# Altium PCB BloopPadMaxx_00.PcbDoc (part 2 of 3) (continued)
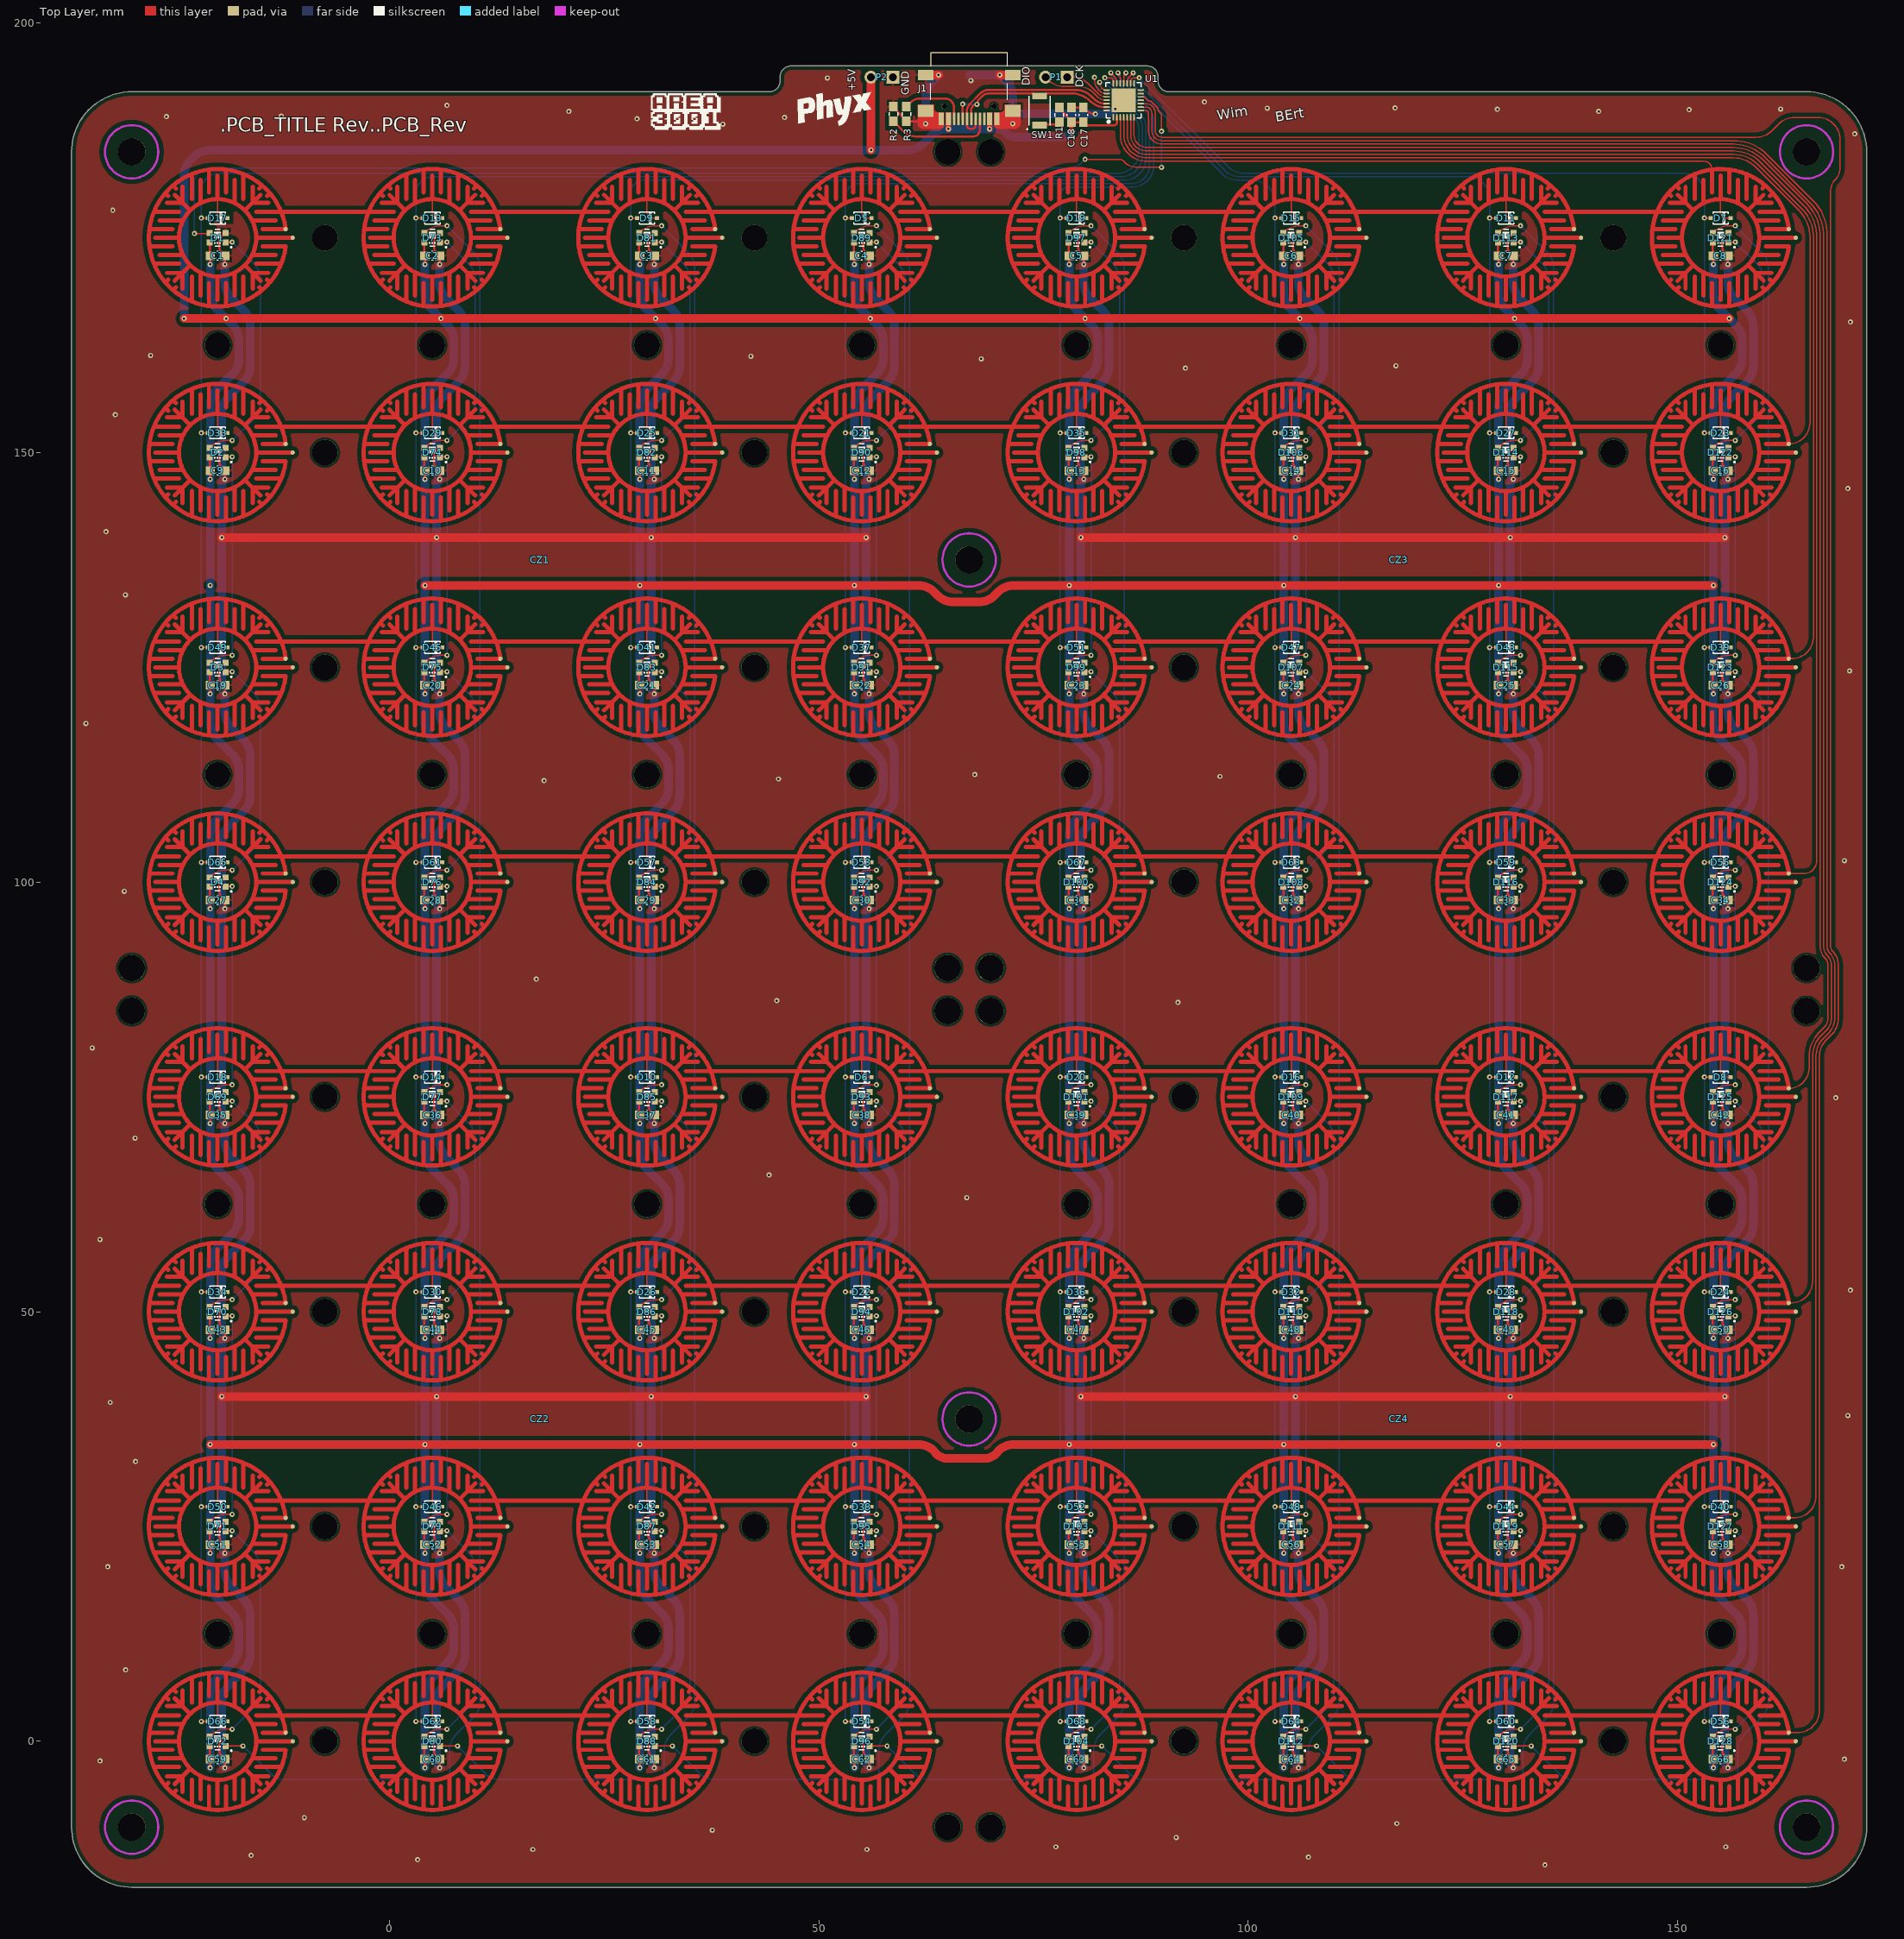
[diagram p0: Top Layer view]
## Nets (pads, with @x,y where several pads share a name; then routed paths per layer and width w, separated by ;. In a path a pad name is that pad's centre, name@x,y a point inside that pad or via, vN(x,y) a via of type N, cw(c..) or ccw(c..) an arc to the next point about the centre after c; other vN are vias at no path point) (continued)
  other v1: 134.537,-14.389 3.3,-13.8 107,-13.5 -16.1,-13.3 16.7,-12.6 55.6,-12.6 77.6,-12.3 155.6,-12.3 91.6,-11.2 37.598,-10.35 117.289,-9.586 -9.9,-8.9 -33.7,-2.3 169.4,-2.1 -30.7,8.3 -32.8,20.3 169.1,20.3 -29.54,32.552 169.8,37.9 -32.5,39.43 170.1,52.5 -33.7,58.4 67.237,63.279 44.2,65.9 -29.6,70.2 168.4,74.9 -34.6,80.7 91.8,86 45.1,86.2 17.1,88.7 -30.85,98.925 169.4,102.5 18,111.8 45.3,112 96.7,112.3 68.156,112.514 -35.326,118.466 170.017,124.58 -30.741,133.422 -33,140.8 169.8,145.8 -31.9,154.4 92.689,159.835 117.2,160.1 68.9,160.9 42.1,161.2 -27.8,161.3 170.1,165.2 -32.2,178.2 170.608,187.1 38.82,188.228 28.839,188.848 46,189 -25.962,189.096 -12.571,189.158 20.9,189.7 140.8,189.7 151.317,189.916 128.998,189.952 161.984,189.987 102.208,190.092 117.1,190.1 6.7,190.4 94.9,190.8 67.7,193.3 51,193.6
IO.DCK: P1.1 U1.24 | length 5.4
  Top Layer w0.15: P1.1@78.93,193.7 79.548,193.7 cw(c79.548,191.16) 81.344,192.956 82.458,191.842 ccw(c83.525,192.909) U1.24@83.525,191.4
IO.DIO: P1.2 U1.25 | length 8
  Top Layer w0.15: P1.2@76.39,193.7 76.746,193.344 ccw(c78.542,195.14) 78.542,192.6 80.224,192.6 cw(c80.224,190.06) 82.02,191.856 82.417,191.459 ccw(c83.525,192.567) U1.25@83.525,191
LED.DIN: D1.3 U1.12 | length 131.4
  Top Layer w0.15: v1(-22.7,175.5) -20.965,175.5 D1.3@-20.915,175.55 ; v1(81,184.14) 84.921,184.14 cw(c84.921,183.321) 85.5,183.9 ccw(c87.118,185.42) 87.118,183.2 v1(89.9,183.2) ; U1.12@87.475,191.4 87.9,191.4 88.4,190.9 88.665,190.9 89.465,190.1 89.465,189.835 89.9,189.4 v1(89.9,187.4)
  Bottom Layer w0.15: v1(-22.7,175.5) -22.7,181.36 cw(c-20.96,181.36) -20.96,183.1 78.908,183.1 ccw(c78.908,185.64) 80.704,183.844 v1(81,184.14) ; v1(89.9,183.2) v1(89.9,187.4)
LED.DOUT: D128.1
NetCZ1_1: CZ1.1 D17.C | length 3.1
  Top Layer w0.15: -20,179.5 -20,177.9 ccw(c-19.4,177.9) -19.4,177.3 D17.C@-18.86,177.3
NetCZ1_3: CZ1.3 D13.C | length 3.1
  Top Layer w0.15: 5,179.5 5,177.9 ccw(c5.6,177.9) 5.6,177.3 D13.C@6.14,177.3
NetCZ1_5: CZ1.5 D9.C | length 3.1
  Top Layer w0.15: 30,179.5 30,177.9 ccw(c30.6,177.9) 30.6,177.3 D9.C@31.14,177.3
NetCZ1_7: CZ1.7 D5.C | length 3.1
  Top Layer w0.15: 55,179.5 55,177.9 ccw(c55.6,177.9) 55.6,177.3 D5.C@56.14,177.3
NetCZ1_9: CZ1.9 D33.C | length 3.1
  Top Layer w0.15: -20,154.5 -20,152.9 ccw(c-19.4,152.9) -19.4,152.3 D33.C@-18.86,152.3
NetCZ1_11: CZ1.11 D29.C | length 3.1
  Top Layer w0.15: 5,154.5 5,152.9 ccw(c5.6,152.9) 5.6,152.3 D29.C@6.14,152.3
NetCZ1_13: CZ1.13 D25.C | length 3.1
  Top Layer w0.15: 30,154.5 30,152.9 ccw(c30.6,152.9) 30.6,152.3 D25.C@31.14,152.3
NetCZ1_15: CZ1.15 D21.C | length 3.1
  Top Layer w0.15: 55,154.5 55,152.9 ccw(c55.6,152.9) 55.6,152.3 D21.C@56.14,152.3
NetCZ1_17: CZ1.17 D49.C | length 3.1
  Top Layer w0.15: -20,129.5 -20,127.9 ccw(c-19.4,127.9) -19.4,127.3 D49.C@-18.86,127.3
NetCZ1_19: CZ1.19 D45.C | length 3.1
  Top Layer w0.15: 5,129.5 5,127.9 ccw(c5.6,127.9) 5.6,127.3 D45.C@6.14,127.3
NetCZ1_21: CZ1.21 D41.C | length 3.1
  Top Layer w0.15: 30,129.5 30,127.9 ccw(c30.6,127.9) 30.6,127.3 D41.C@31.14,127.3
NetCZ1_23: CZ1.23 D37.C | length 3.1
  Top Layer w0.15: 55,129.5 55,127.9 ccw(c55.6,127.9) 55.6,127.3 D37.C@56.14,127.3
NetCZ1_25: CZ1.25 D65.C | length 3.1
  Top Layer w0.15: -20,104.5 -20,102.9 ccw(c-19.4,102.9) -19.4,102.3 D65.C@-18.86,102.3
NetCZ1_27: CZ1.27 D61.C | length 3.1
  Top Layer w0.15: 5,104.5 5,102.9 ccw(c5.6,102.9) 5.6,102.3 D61.C@6.14,102.3
NetCZ1_29: CZ1.29 D57.C | length 3.1
  Top Layer w0.15: 30,104.5 30,102.9 ccw(c30.6,102.9) 30.6,102.3 D57.C@31.14,102.3
NetCZ1_31: CZ1.31 D53.C | length 3.1
  Top Layer w0.15: 55,104.5 55,102.9 ccw(c55.6,102.9) 55.6,102.3 D53.C@56.14,102.3
NetCZ2_1: CZ2.1 D18.C | length 3.1
  Top Layer w0.15: -20,79.5 -20,77.9 ccw(c-19.4,77.9) -19.4,77.3 D18.C@-18.86,77.3
NetCZ2_3: CZ2.3 D14.C | length 3.1
  Top Layer w0.15: 5,79.5 5,77.9 ccw(c5.6,77.9) 5.6,77.3 D14.C@6.14,77.3
NetCZ2_5: CZ2.5 D10.C | length 3.1
  Top Layer w0.15: 30,79.5 30,77.9 ccw(c30.6,77.9) 30.6,77.3 D10.C@31.14,77.3
NetCZ2_7: CZ2.7 D6.C | length 3.1
  Top Layer w0.15: 55,79.5 55,77.9 ccw(c55.6,77.9) 55.6,77.3 D6.C@56.14,77.3
NetCZ2_9: CZ2.9 D34.C | length 3.1
  Top Layer w0.15: -20,54.5 -20,52.9 ccw(c-19.4,52.9) -19.4,52.3 D34.C@-18.86,52.3
NetCZ2_11: CZ2.11 D30.C | length 3.1
  Top Layer w0.15: 5,54.5 5,52.9 ccw(c5.6,52.9) 5.6,52.3 D30.C@6.14,52.3
NetCZ2_13: CZ2.13 D26.C | length 3.1
  Top Layer w0.15: 30,54.5 30,52.9 ccw(c30.6,52.9) 30.6,52.3 D26.C@31.14,52.3
NetCZ2_15: CZ2.15 D22.C | length 3.1
  Top Layer w0.15: 55,54.5 55,52.9 ccw(c55.6,52.9) 55.6,52.3 D22.C@56.14,52.3
NetCZ2_17: CZ2.17 D50.C | length 3.1
  Top Layer w0.15: -20,29.5 -20,27.9 ccw(c-19.4,27.9) -19.4,27.3 D50.C@-18.86,27.3
NetCZ2_19: CZ2.19 D46.C | length 3.1
  Top Layer w0.15: 5,29.5 5,27.9 ccw(c5.6,27.9) 5.6,27.3 D46.C@6.14,27.3
NetCZ2_21: CZ2.21 D42.C | length 3.1
  Top Layer w0.15: 30,29.5 30,27.9 ccw(c30.6,27.9) 30.6,27.3 D42.C@31.14,27.3
NetCZ2_23: CZ2.23 D38.C | length 3.1
  Top Layer w0.15: 55,29.5 55,27.9 ccw(c55.6,27.9) 55.6,27.3 D38.C@56.14,27.3
NetCZ2_25: CZ2.25 D66.C | length 3.1
  Top Layer w0.15: -20,4.5 -20,2.9 ccw(c-19.4,2.9) -19.4,2.3 D66.C@-18.86,2.3
NetCZ2_27: CZ2.27 D62.C | length 3.1
  Top Layer w0.15: 5,4.5 5,2.9 ccw(c5.6,2.9) 5.6,2.3 D62.C@6.14,2.3
NetCZ2_29: CZ2.29 D58.C | length 3.1
  Top Layer w0.15: 30,4.5 30,2.9 ccw(c30.6,2.9) 30.6,2.3 D58.C@31.14,2.3
NetCZ2_31: CZ2.31 D54.C | length 3.1
  Top Layer w0.15: 55,4.5 55,2.9 ccw(c55.6,2.9) 55.6,2.3 D54.C@56.14,2.3
NetCZ3_1: CZ3.1 D19.C | length 3.1
  Top Layer w0.15: 80,179.5 80,177.9 ccw(c80.6,177.9) 80.6,177.3 D19.C@81.14,177.3
NetCZ3_3: CZ3.3 D15.C | length 3.1
  Top Layer w0.15: 105,179.5 105,177.9 ccw(c105.6,177.9) 105.6,177.3 D15.C@106.14,177.3
NetCZ3_5: CZ3.5 D11.C | length 3.1
  Top Layer w0.15: 130,179.5 130,177.9 ccw(c130.6,177.9) 130.6,177.3 D11.C@131.14,177.3
NetCZ3_7: CZ3.7 D7.C | length 3.1
  Top Layer w0.15: 155,179.5 155,177.9 ccw(c155.6,177.9) 155.6,177.3 D7.C@156.14,177.3
NetCZ3_9: CZ3.9 D35.C | length 3.1
  Top Layer w0.15: 80,154.5 80,152.9 ccw(c80.6,152.9) 80.6,152.3 D35.C@81.14,152.3
NetCZ3_11: CZ3.11 D31.C | length 3.1
  Top Layer w0.15: 105,154.5 105,152.9 ccw(c105.6,152.9) 105.6,152.3 D31.C@106.14,152.3
NetCZ3_13: CZ3.13 D27.C | length 3.1
  Top Layer w0.15: 130,154.5 130,152.9 ccw(c130.6,152.9) 130.6,152.3 D27.C@131.14,152.3
NetCZ3_15: CZ3.15 D23.C | length 3.1
  Top Layer w0.15: 155,154.5 155,152.9 ccw(c155.6,152.9) 155.6,152.3 D23.C@156.14,152.3
NetCZ3_17: CZ3.17 D51.C | length 3.1
  Top Layer w0.15: 80,129.5 80,127.9 ccw(c80.6,127.9) 80.6,127.3 D51.C@81.14,127.3
NetCZ3_19: CZ3.19 D47.C | length 3.1
  Top Layer w0.15: 105,129.5 105,127.9 ccw(c105.6,127.9) 105.6,127.3 D47.C@106.14,127.3
NetCZ3_21: CZ3.21 D43.C | length 3.1
  Top Layer w0.15: 130,129.5 130,127.9 ccw(c130.6,127.9) 130.6,127.3 D43.C@131.14,127.3
NetCZ3_23: CZ3.23 D39.C | length 3.1
  Top Layer w0.15: 155,129.5 155,127.9 ccw(c155.6,127.9) 155.6,127.3 D39.C@156.14,127.3
NetCZ3_25: CZ3.25 D67.C | length 3.1
  Top Layer w0.15: 80,104.5 80,102.9 ccw(c80.6,102.9) 80.6,102.3 D67.C@81.14,102.3
NetCZ3_27: CZ3.27 D63.C | length 3.1
  Top Layer w0.15: 105,104.5 105,102.9 ccw(c105.6,102.9) 105.6,102.3 D63.C@106.14,102.3
NetCZ3_29: CZ3.29 D59.C | length 3.1
  Top Layer w0.15: 130,104.5 130,102.9 ccw(c130.6,102.9) 130.6,102.3 D59.C@131.14,102.3
NetCZ3_31: CZ3.31 D55.C | length 3.1
  Top Layer w0.15: 155,104.5 155,102.9 ccw(c155.6,102.9) 155.6,102.3 D55.C@156.14,102.3
NetCZ4_1: CZ4.1 D20.C | length 3.1
  Top Layer w0.15: 80,79.5 80,77.9 ccw(c80.6,77.9) 80.6,77.3 D20.C@81.14,77.3
NetCZ4_3: CZ4.3 D16.C | length 3.1
  Top Layer w0.15: 105,79.5 105,77.9 ccw(c105.6,77.9) 105.6,77.3 D16.C@106.14,77.3
NetCZ4_5: CZ4.5 D12.C | length 3.1
  Top Layer w0.15: 130,79.5 130,77.9 ccw(c130.6,77.9) 130.6,77.3 D12.C@131.14,77.3
NetCZ4_7: CZ4.7 D8.C | length 3.1
  Top Layer w0.15: 155,79.5 155,77.9 ccw(c155.6,77.9) 155.6,77.3 D8.C@156.14,77.3
NetCZ4_9: CZ4.9 D36.C | length 3.1
  Top Layer w0.15: 80,54.5 80,52.9 ccw(c80.6,52.9) 80.6,52.3 D36.C@81.14,52.3
NetCZ4_11: CZ4.11 D32.C | length 3.1
  Top Layer w0.15: 105,54.5 105,52.9 ccw(c105.6,52.9) 105.6,52.3 D32.C@106.14,52.3
NetCZ4_13: CZ4.13 D28.C | length 3.1
  Top Layer w0.15: 130,54.5 130,52.9 ccw(c130.6,52.9) 130.6,52.3 D28.C@131.14,52.3
NetCZ4_15: CZ4.15 D24.C | length 3.1
  Top Layer w0.15: 155,54.5 155,52.9 ccw(c155.6,52.9) 155.6,52.3 D24.C@156.14,52.3
NetCZ4_17: CZ4.17 D52.C | length 3.1
  Top Layer w0.15: 80,29.5 80,27.9 ccw(c80.6,27.9) 80.6,27.3 D52.C@81.14,27.3
NetCZ4_19: CZ4.19 D48.C | length 3.1
  Top Layer w0.15: 105,29.5 105,27.9 ccw(c105.6,27.9) 105.6,27.3 D48.C@106.14,27.3
NetCZ4_21: CZ4.21 D44.C | length 3.1
  Top Layer w0.15: 130,29.5 130,27.9 ccw(c130.6,27.9) 130.6,27.3 D44.C@131.14,27.3
NetCZ4_23: CZ4.23 D40.C | length 3.1
  Top Layer w0.15: 155,29.5 155,27.9 ccw(c155.6,27.9) 155.6,27.3 D40.C@156.14,27.3
NetCZ4_25: CZ4.25 D68.C | length 3.1
  Top Layer w0.15: 80,4.5 80,2.9 ccw(c80.6,2.9) 80.6,2.3 D68.C@81.14,2.3
NetCZ4_27: CZ4.27 D64.C | length 3.1
  Top Layer w0.15: 105,4.5 105,2.9 ccw(c105.6,2.9) 105.6,2.3 D64.C@106.14,2.3
NetCZ4_29: CZ4.29 D60.C | length 3.1
  Top Layer w0.15: 130,4.5 130,2.9 ccw(c130.6,2.9) 130.6,2.3 D60.C@131.14,2.3
NetCZ4_31: CZ4.31 D56.C | length 3.1
  Top Layer w0.15: 155,4.5 155,2.9 ccw(c155.6,2.9) 155.6,2.3 D56.C@156.14,2.3
NetD1_1: D1.1 D2.3 | length 29.3
  Top Layer w0.15: D2.3@-20.915,150.55 -20.809,150.656 cw(c-19.013,148.86) -19.013,151.4 v1(-18.3,151.4) ; D1.1@-19.085,174.45 -19.035,174.5 v1(-18.3,174.5)
  Bottom Layer w0.15: v1(-18.3,151.4) -15.744,153.956 ccw(c-17.54,155.752) -15,155.752 -15,170.148 ccw(c-17.54,170.148) -15.744,171.944 v1(-18.3,174.5)
NetD2_1: D2.1 D3.3 | length 26.8
  Top Layer w0.15: D3.3@-20.915,125.55 -20.809,125.656 cw(c-19.013,123.86) -19.013,126.4 v1(-18.3,126.4) ; D2.1@-19.085,149.45 -19.035,149.5 v1(-18.3,149.5)
  Bottom Layer w0.15: v1(-18.3,126.4) v1(-18.3,149.5)
NetD3_1: D3.1 D4.3 | length 29.3
  Top Layer w0.15: D4.3@-20.915,100.55 -20.809,100.656 cw(c-19.013,98.86) -19.013,101.4 v1(-18.3,101.4) ; D3.1@-19.085,124.45 -19.035,124.5 v1(-18.3,124.5)
  Bottom Layer w0.15: v1(-18.3,101.4) -15.744,103.956 ccw(c-17.54,105.752) -15,105.752 -15,120.148 ccw(c-17.54,120.148) -15.744,121.944 v1(-18.3,124.5)
NetD4_1: D4.1 D69.3 | length 26.8
  Top Layer w0.15: D69.3@-20.915,75.55 -20.809,75.656 cw(c-19.013,73.86) -19.013,76.4 v1(-18.3,76.4) ; D4.1@-19.085,99.45 -19.035,99.5 v1(-18.3,99.5)
  Bottom Layer w0.15: v1(-18.3,76.4) v1(-18.3,99.5)
NetD69_1: D69.1 D70.3 | length 29.3
  Top Layer w0.15: D70.3@-20.915,50.55 -20.809,50.656 cw(c-19.013,48.86) -19.013,51.4 v1(-18.3,51.4) ; D69.1@-19.085,74.45 -19.035,74.5 v1(-18.3,74.5)
  Bottom Layer w0.15: v1(-18.3,51.4) -15.744,53.956 ccw(c-17.54,55.752) -15,55.752 -15,70.148 ccw(c-17.54,70.148) -15.744,71.944 v1(-18.3,74.5)
NetD70_1: D70.1 D71.3 | length 26.8
  Top Layer w0.15: D71.3@-20.915,25.55 -20.809,25.656 cw(c-19.013,23.86) -19.013,26.4 v1(-18.3,26.4) ; D70.1@-19.085,49.45 -19.035,49.5 v1(-18.3,49.5)
  Bottom Layer w0.15: v1(-18.3,26.4) v1(-18.3,49.5)
NetD71_1: D71.1 D72.3 | length 29.3
  Top Layer w0.15: D72.3@-20.915,0.55 -20.809,0.656 cw(c-19.013,-1.14) -19.013,1.4 v1(-18.3,1.4) ; D71.1@-19.085,24.45 -19.035,24.5 v1(-18.3,24.5)
  Bottom Layer w0.15: v1(-18.3,1.4) -15.744,3.956 ccw(c-17.54,5.752) -15,5.752 -15,20.148 ccw(c-17.54,20.148) -15.744,21.944 v1(-18.3,24.5)
NetD72_1: D72.1 D73.3 | length 213.7
  Top Layer w0.15: D72.1@-19.085,-0.55 v1(-17.05,-0.55) ; D73.3@4.085,175.55 4.191,175.656 cw(c5.987,173.86) 5.987,176.4 v1(6.7,176.4)
  Bottom Layer w0.15: v1(-17.05,-0.55) -13.878,-3.722 ccw(c-12.082,-1.926) -12.082,-4.466 6.034,-4.466 ccw(c6.034,-3.5) 7,-3.5 7,-1.052 cw(c9.54,-1.052) 7.744,0.744 9.816,2.816 ccw(c8.02,4.612) 10.56,4.612 10.56,171.488 ccw(c8.02,171.488) 9.816,173.284 v1(6.7,176.4)
NetD73_1: D73.1 D74.3 | length 29.3
  Top Layer w0.15: D74.3@4.085,150.55 4.191,150.656 cw(c5.987,148.86) 5.987,151.4 v1(6.7,151.4) ; D73.1@5.915,174.45 5.965,174.5 v1(6.7,174.5)
  Bottom Layer w0.15: v1(6.7,151.4) 9.256,153.956 ccw(c7.46,155.752) 10,155.752 10,170.148 ccw(c7.46,170.148) 9.256,171.944 v1(6.7,174.5)
NetD74_1: D74.1 D75.3 | length 26.8
  Top Layer w0.15: D75.3@4.085,125.55 4.191,125.656 cw(c5.987,123.86) 5.987,126.4 v1(6.7,126.4) ; D74.1@5.915,149.45 5.965,149.5 v1(6.7,149.5)
  Bottom Layer w0.15: v1(6.7,126.4) v1(6.7,149.5)
NetD75_1: D75.1 D76.3 | length 29.3
  Top Layer w0.15: D76.3@4.085,100.55 4.191,100.656 cw(c5.987,98.86) 5.987,101.4 v1(6.7,101.4) ; D75.1@5.915,124.45 5.965,124.5 v1(6.7,124.5)
  Bottom Layer w0.15: v1(6.7,101.4) 9.256,103.956 ccw(c7.46,105.752) 10,105.752 10,120.148 ccw(c7.46,120.148) 9.256,121.944 v1(6.7,124.5)
NetD76_1: D76.1 D77.3 | length 26.8
  Top Layer w0.15: D77.3@4.085,75.55 4.191,75.656 cw(c5.987,73.86) 5.987,76.4 v1(6.7,76.4) ; D76.1@5.915,99.45 5.965,99.5 v1(6.7,99.5)
  Bottom Layer w0.15: v1(6.7,76.4) v1(6.7,99.5)
NetD77_1: D77.1 D78.3 | length 29.3
  Top Layer w0.15: D78.3@4.085,50.55 4.191,50.656 cw(c5.987,48.86) 5.987,51.4 v1(6.7,51.4) ; D77.1@5.915,74.45 5.965,74.5 v1(6.7,74.5)
  Bottom Layer w0.15: v1(6.7,51.4) 9.256,53.956 ccw(c7.46,55.752) 10,55.752 10,70.148 ccw(c7.46,70.148) 9.256,71.944 v1(6.7,74.5)
NetD78_1: D78.1 D79.3 | length 26.8
  Top Layer w0.15: D79.3@4.085,25.55 4.191,25.656 cw(c5.987,23.86) 5.987,26.4 v1(6.7,26.4) ; D78.1@5.915,49.45 5.965,49.5 v1(6.7,49.5)
  Bottom Layer w0.15: v1(6.7,26.4) v1(6.7,49.5)
NetD79_1: D79.1 D80.3 | length 29.3
  Top Layer w0.15: D80.3@4.085,0.55 4.191,0.656 cw(c5.987,-1.14) 5.987,1.4 v1(6.7,1.4) ; D79.1@5.915,24.45 5.965,24.5 v1(6.7,24.5)
  Bottom Layer w0.15: v1(6.7,1.4) 9.256,3.956 ccw(c7.46,5.752) 10,5.752 10,20.148 ccw(c7.46,20.148) 9.256,21.944 v1(6.7,24.5)
NetD80_1: D80.1 D81.3 | length 216.5
  Top Layer w0.15: D80.1@5.915,-0.55 v1(7.95,-0.55) ; D81.3@29.191,175.656 cw(c30.987,173.86) 30.987,176.4 ; D81.3@29.191,175.656 cw(c30.987,173.86) 30.987,176.4 ; D81.3@29.191,175.656 D81.3@29.085,175.55 D81.3@29.191,175.656 ; 30.987,176.4 v1(31.7,176.4) 30.987,176.4
  Bottom Layer w0.15: v1(7.95,-0.55) 11.122,-3.722 ccw(c12.918,-1.926) 12.918,-4.466 31.034,-4.466 ccw(c31.034,-3.5) 32,-3.5 32,-1.052 cw(c34.54,-1.052) 32.744,0.744 34.816,2.816 ccw(c33.02,4.612) 35.56,4.612 35.56,171.488 ccw(c33.02,171.488) 34.816,173.284 v1(31.7,176.4)
  other v1: 31.7,176.4
NetD81_1: D81.1 D82.3 | length 29.3
  Top Layer w0.15: D82.3@29.085,150.55 29.191,150.656 cw(c30.987,148.86) 30.987,151.4 v1(31.7,151.4) ; D81.1@30.915,174.45 30.965,174.5 v1(31.7,174.5)
  Bottom Layer w0.15: v1(31.7,151.4) 34.256,153.956 ccw(c32.46,155.752) 35,155.752 35,170.148 ccw(c32.46,170.148) 34.256,171.944 v1(31.7,174.5)
NetD82_1: D82.1 D83.3 | length 26.8
  Top Layer w0.15: D83.3@29.085,125.55 29.191,125.656 cw(c30.987,123.86) 30.987,126.4 v1(31.7,126.4) ; D82.1@30.915,149.45 30.965,149.5 v1(31.7,149.5)
  Bottom Layer w0.15: v1(31.7,126.4) v1(31.7,149.5)
NetD83_1: D83.1 D84.3 | length 29.3
  Top Layer w0.15: D84.3@29.085,100.55 29.191,100.656 cw(c30.987,98.86) 30.987,101.4 v1(31.7,101.4) ; D83.1@30.915,124.45 30.965,124.5 v1(31.7,124.5)
  Bottom Layer w0.15: v1(31.7,101.4) 34.256,103.956 ccw(c32.46,105.752) 35,105.752 35,120.148 ccw(c32.46,120.148) 34.256,121.944 v1(31.7,124.5)
NetD84_1: D84.1 D85.3 | length 26.8
  Top Layer w0.15: D85.3@29.085,75.55 29.191,75.656 cw(c30.987,73.86) 30.987,76.4 v1(31.7,76.4) ; D84.1@30.915,99.45 30.965,99.5 v1(31.7,99.5)
  Bottom Layer w0.15: v1(31.7,76.4) v1(31.7,99.5)
NetD85_1: D85.1 D86.3 | length 29.3
  Top Layer w0.15: D86.3@29.085,50.55 29.191,50.656 cw(c30.987,48.86) 30.987,51.4 v1(31.7,51.4) ; D85.1@30.915,74.45 30.965,74.5 v1(31.7,74.5)
  Bottom Layer w0.15: v1(31.7,51.4) 34.256,53.956 ccw(c32.46,55.752) 35,55.752 35,70.148 ccw(c32.46,70.148) 34.256,71.944 v1(31.7,74.5)
NetD86_1: D86.1 D87.3 | length 26.8
  Top Layer w0.15: D87.3@29.085,25.55 29.191,25.656 cw(c30.987,23.86) 30.987,26.4 v1(31.7,26.4) ; D86.1@30.915,49.45 30.965,49.5 v1(31.7,49.5)
  Bottom Layer w0.15: v1(31.7,26.4) v1(31.7,49.5)
NetD87_1: D87.1 D88.3 | length 29.3
  Top Layer w0.15: D88.3@29.085,0.55 29.191,0.656 cw(c30.987,-1.14) 30.987,1.4 v1(31.7,1.4) ; D87.1@30.915,24.45 30.965,24.5 v1(31.7,24.5)
  Bottom Layer w0.15: v1(31.7,1.4) 34.256,3.956 ccw(c32.46,5.752) 35,5.752 35,20.148 ccw(c32.46,20.148) 34.256,21.944 v1(31.7,24.5)
NetD88_1: D88.1 D89.3 | length 216.5
  Top Layer w0.15: D88.1@30.915,-0.55 v1(32.95,-0.55) ; D89.3@54.191,175.656 cw(c55.987,173.86) 55.987,176.4 ; D89.3@54.191,175.656 cw(c55.987,173.86) 55.987,176.4 ; D89.3@54.191,175.656 D89.3@54.085,175.55 D89.3@54.191,175.656 ; 55.987,176.4 v1(56.7,176.4) 55.987,176.4
  Bottom Layer w0.15: v1(32.95,-0.55) 36.122,-3.722 ccw(c37.918,-1.926) 37.918,-4.466 56.034,-4.466 ccw(c56.034,-3.5) 57,-3.5 57,-1.052 cw(c59.54,-1.052) 57.744,0.744 59.816,2.816 ccw(c58.02,4.612) 60.56,4.612 60.56,171.488 ccw(c58.02,171.488) 59.816,173.284 v1(56.7,176.4)
  other v1: 56.7,176.4